# KiCad board 8-Bit CPU 32k.kicad_pcb (continued)
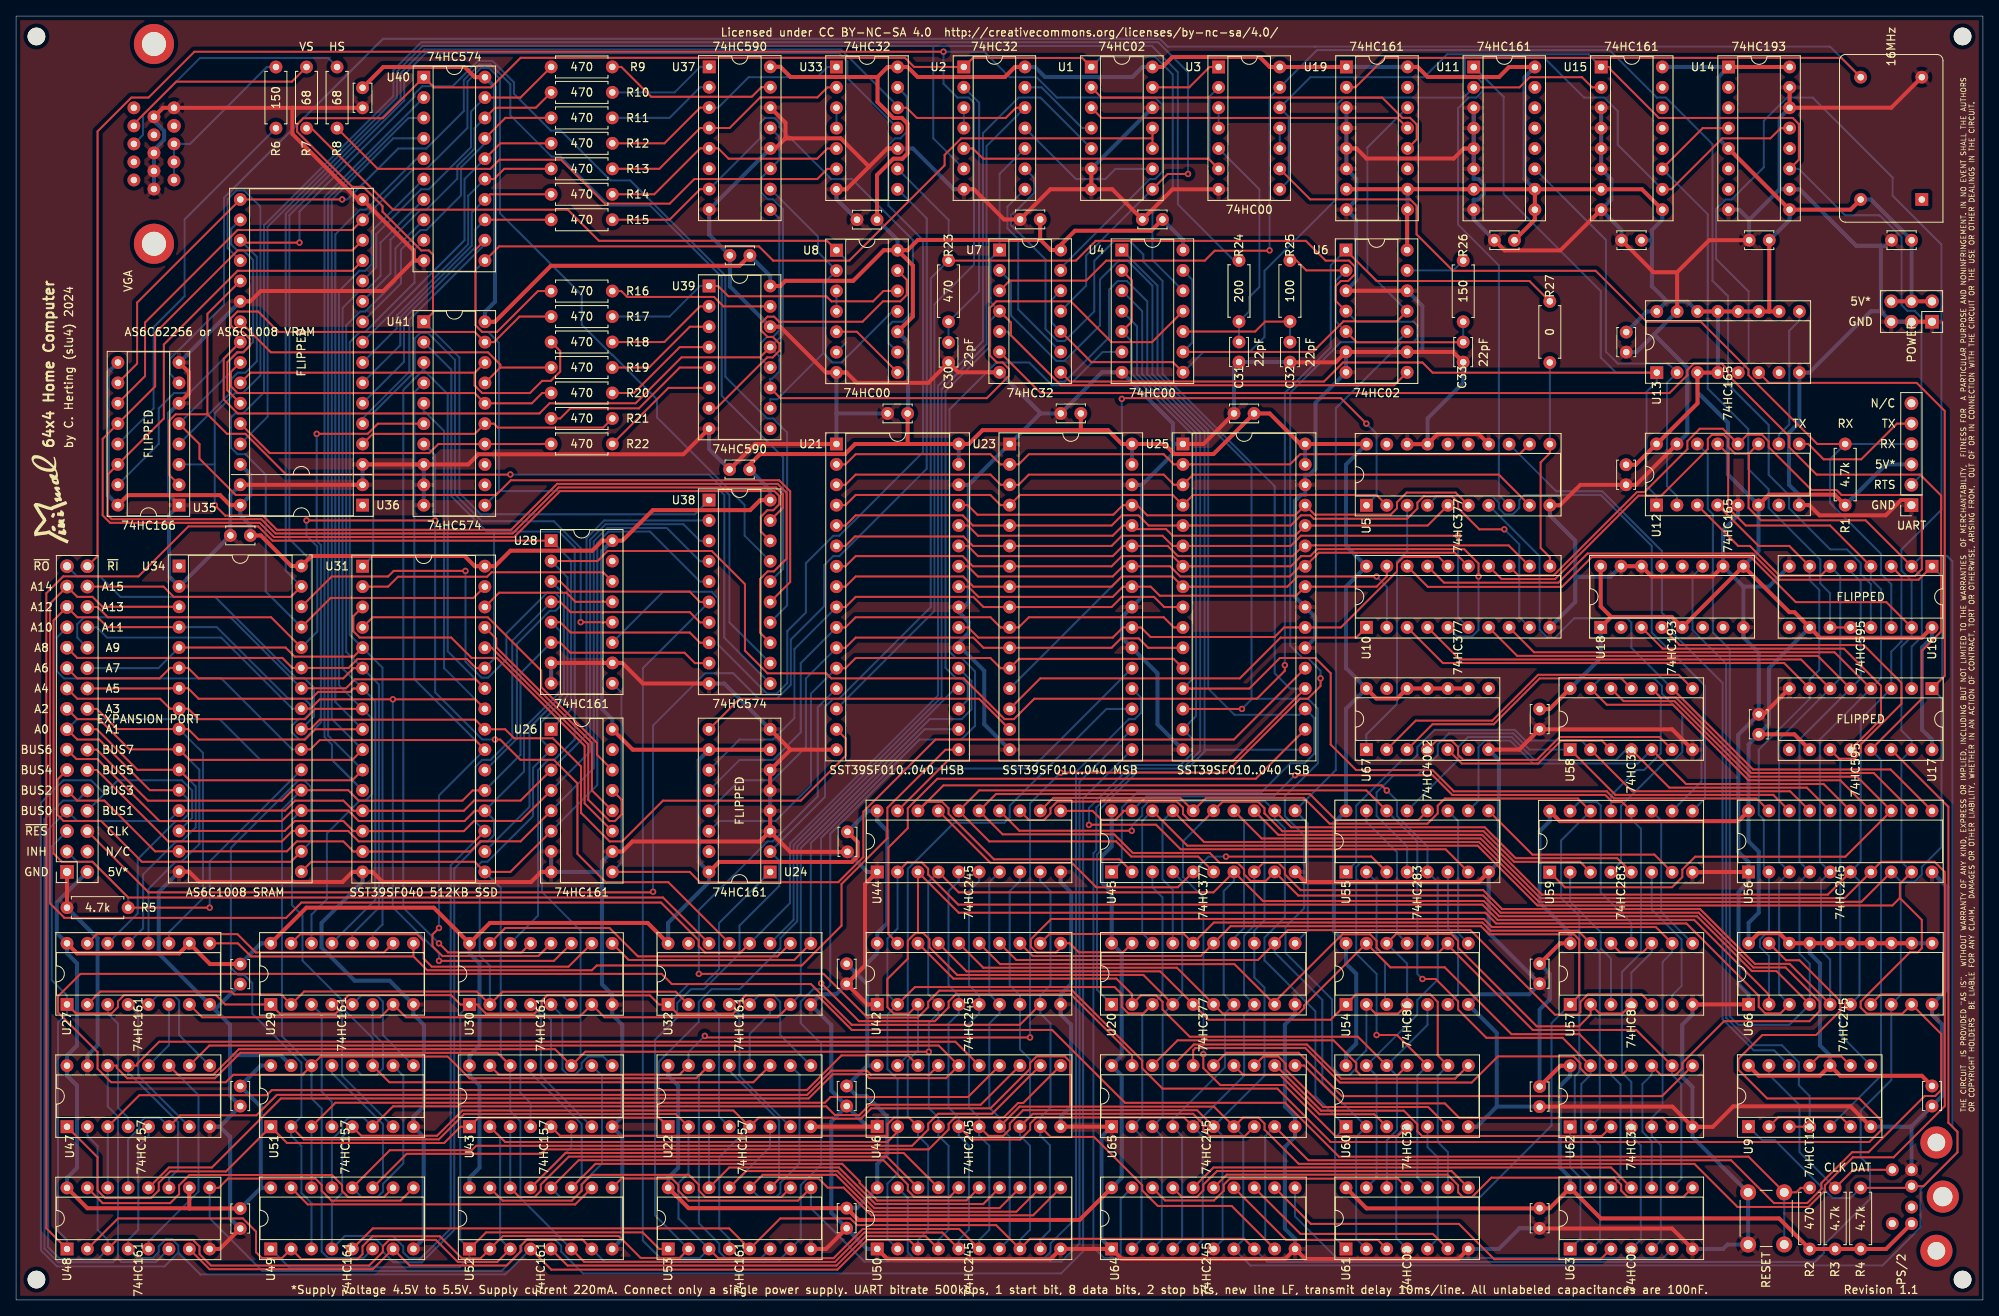
[diagram p0: board, top side]
## Nets (continued)
/VGA/V_A0: R9.1 U36.12 U40.19
/VGA/V_A1: R10.1 U36.11 U40.18
/VGA/V_A2: R11.1 U36.10 U40.17
/VGA/V_A3: R12.1 U36.9 U40.16
/VGA/V_A4: R13.1 U36.8 U40.15
/VGA/V_A5: R14.1 U36.7 U40.14
/VGA/V_A6: R15.1 U36.6 U40.13
/VGA/V_A7: R16.1 U36.5 U40.12
/VGA/V_A8: R17.2 U36.27 U41.19
/VGA/V_A9: R18.2 U36.26 U41.18
/VGA/V_A10: R19.2 U36.23 U41.17
/VGA/V_A11: R20.2 U36.25 U41.16
/VGA/V_A12: R21.1 U36.4 U41.15
/VGA/V_A13: R22.2 U36.28 U41.14
A0: J3.15 U27.14 U31.12 U34.12 U40.2
A1: J3.16 U27.13 U31.11 U34.11 U40.3
A2: J3.17 U27.12 U31.10 U34.10 U40.4
A3: J3.18 U27.11 U31.9 U34.9 U40.5
A4: J3.19 U29.14 U31.8 U34.8 U40.6
A5: J3.20 U29.13 U31.7 U34.7 U40.7
A6: J3.21 U29.12 U31.6 U34.6 U40.8
A7: J3.22 U29.11 U31.5 U34.5 U40.9
A8: J3.23 U30.14 U31.27 U34.27 U41.2
A9: J3.24 U30.13 U31.26 U34.26 U41.3
A10: J3.25 U30.12 U31.23 U34.23 U41.4
A11: J3.26 U30.11 U31.25 U34.25 U41.5
A12: J3.27 U32.14 U34.4 U41.6
A13: J3.28 U32.13 U34.28 U41.7
A14: J3.29 U1.5 U32.12 U34.3
A15: J3.30 U2.12 U32.11 U33.12 U34.31
CLK_MAR: R27.2 U6.1 U26.2 U27.2 U28.2 U29.2 U30.2 U32.2
CLK_PC: R23.1 U6.4 U20.11 U24.2 U33.9 U45.11 U48.2 U49.2 U52.2 U53.2
PC0: U46.18 U47.3 U48.14
PC1: U46.17 U47.6 U48.13
PC2: U46.16 U47.10 U48.12
PC3: U46.15 U47.13 U48.11
PC4: U46.14 U49.14 U51.3
PC5: U46.13 U49.13 U51.6
PC6: U46.12 U49.12 U51.10
PC7: U46.11 U49.11 U51.13
PC8: U43.3 U50.18 U52.14
PC9: U43.6 U50.17 U52.13
PC10: U43.10 U50.16 U52.12
PC11: U43.13 U50.15 U52.11
PC12: U22.3 U50.14 U53.14
PC13: U22.6 U50.13 U53.13
PC14: U22.10 U50.12 U53.12
PC15: U22.13 U50.11 U53.11
~{CLK_PLS}: U4.8 U7.10 U7.12 U11.2 U15.2
~{RESET}: J3.5 R2.2 SW1.1 U24.1 U26.1 U27.1 U28.1 U29.1 U30.1 U32.1 U48.1 U49.1 U52.1 U53.1
Net-(C30-Pad1): C30.1 R23.2 U2.2
Net-(C31-Pad1): C31.1 R24.2 U3.5
Net-(C32-Pad1): C32.1 R25.2 U4.10
Net-(C33-Pad1): C33.1 R25.1 R26.2 U6.2 U6.5
Net-(J3-Pad6): J3.6 U33.8
Net-(J4-Pad1): J4.1 J4.2 J4.3 R6.2
Net-(J4-Pad13): J4.13 R8.1
Net-(J4-Pad14): J4.14 R7.1
Net-(R6-Pad1): R6.1 U35.13
Net-(R7-Pad2): R7.2 U8.1 U8.6
Net-(R8-Pad2): R8.2 U33.6
Net-(R26-Pad1): R26.1 U6.13
Net-(R27-Pad1): R27.1 U5.11 U10.11
Net-(U1-Pad4): U1.4 U2.13
Net-(U1-Pad9): U1.9 U2.11
Net-(U1-Pad13): U1.13 U3.1
Net-(U2-Pad3): U2.3 U2.4
Net-(U2-Pad5): U2.5 U3.2 U3.6
Net-(U2-Pad8): U2.8 U7.9
Net-(U3-Pad3): U3.3 U3.4
Net-(U3-Pad10): U3.10 U3.11
Net-(U8-Pad3): U8.3 U8.4
Net-(U8-Pad5): U8.5 U8.8
Net-(U9-Pad2): U9.2 U9.6
Net-(U9-Pad11): U9.9 U9.11
Net-(U11-Pad11): U11.11 U12.2 U13.2
Net-(U12-Pad10): U12.10 U13.9
Net-(U14-Pad4): U14.4 U15.11 U16.11 U16.12
Net-(U17-Pad11): U9.8 U17.11 U18.4
Net-(U17-Pad12): U17.12 U18.3
Net-(U18-Pad11): U9.3 U9.4 U18.11
Net-(U22-Pad4): U22.4 U32.3
Net-(U22-Pad7): U22.7 U32.4
Net-(U22-Pad9): U22.9 U32.5
Net-(U22-Pad12): U22.12 U32.6
Net-(U27-Pad3): U27.3 U47.4
Net-(U27-Pad4): U27.4 U47.7
Net-(U27-Pad5): U27.5 U47.9
Net-(U27-Pad6): U27.6 U47.12
Net-(U27-Pad15): U27.15 U29.10
Net-(U29-Pad3): U29.3 U51.4
Net-(U29-Pad4): U29.4 U51.7
Net-(U29-Pad5): U29.5 U51.9
Net-(U29-Pad6): U29.6 U51.12
Net-(U29-Pad15): U29.15 U30.10
Net-(U30-Pad3): U30.3 U43.4
Net-(U30-Pad4): U30.4 U43.7
Net-(U30-Pad5): U30.5 U43.9
Net-(U30-Pad6): U30.6 U43.12
Net-(U30-Pad15): U30.15 U32.10
Net-(U31-Pad22): U31.22 U33.11 U34.30
Net-(U33-Pad3): U33.3 U33.4
Net-(U37-Pad9): U37.9 U39.12
Net-(U37-Pad10): U8.2 U8.11 U37.10 U39.10
Net-(U48-Pad15): U48.15 U49.10
Net-(U49-Pad15): U49.15 U52.10
Net-(U52-Pad15): U52.15 U53.10
Net-(U54-Pad3): U54.3 U55.2
Net-(U54-Pad6): U54.6 U55.6
Net-(U54-Pad8): U54.8 U55.11
Net-(U54-Pad11): U54.11 U55.15
Net-(U55-Pad1): U55.1 U56.17 U58.2
Net-(U55-Pad4): U55.4 U56.18 U58.1
Net-(U55-Pad9): U55.9 U59.7
Net-(U55-Pad10): U55.10 U56.15 U58.5
Net-(U55-Pad13): U55.13 U56.16 U58.4
Net-(U56-Pad12): U56.12 U58.10 U59.13
Net-(U56-Pad13): U56.13 U58.12 U59.1
Net-(U56-Pad14): U56.14 U58.13 U59.4
Net-(U57-Pad3): U57.3 U59.2
Net-(U57-Pad6): U57.6 U59.6
Net-(U57-Pad8): U57.8 U59.11
Net-(U57-Pad11): U57.11 U59.15
Net-(U58-Pad3): U58.3 U67.5
Net-(U58-Pad6): U58.6 U67.4
Net-(U58-Pad8): U58.8 U67.2
Net-(U58-Pad11): U58.11 U67.3
Net-(U60-Pad3): U60.3 U65.14
Net-(U60-Pad6): U60.6 U65.13
Net-(U60-Pad8): U60.8 U65.17
Net-(U60-Pad11): U60.11 U65.18
Net-(U61-Pad3): U61.3 U64.14
Net-(U61-Pad6): U61.6 U64.13
Net-(U61-Pad8): U61.8 U64.17
Net-(U61-Pad11): U61.11 U64.18
Net-(U62-Pad3): U62.3 U65.12
Net-(U62-Pad6): U62.6 U65.11
Net-(U62-Pad8): U62.8 U65.15
Net-(U62-Pad11): U62.11 U65.16
Net-(U63-Pad3): U63.3 U64.12
Net-(U63-Pad6): U63.6 U64.11
Net-(U63-Pad8): U63.8 U64.15
Net-(U63-Pad11): U63.11 U64.16

Pads without a net: J1 6; J2 2 6; J3 4; J4 4 9 11 12 15; U5 15 16 19; U11 12 13 14 15; U12 7; U13 7; U14 2 3 6 7 12; U15 12 13 14 15; U16 9; U17 9; U18 2 6 7 12; U19 11 15; U24 15; U26 15; U28 15; U32 15; U34 1; U36 1; U37 6; U39 9; U41 12 13; U53 15; U67 6 8 13; X1 1

## Via types
v1: diameter 0.8, hole 0.4, Top to Bottom, 42 vias

## Routing (per net, layer and track width the routed paths; a pad name or vN(x,y) marks a point on that pad's centre or on a via; arc(x,y) is an arc through that point)
+5V: length 1746
  Top w0.5: 21.59,11.43 21.62,11.4 C24.1 ; 21.59,11.43 8.89,11.43 U48.16 ; 21.59,11.43 U48.10 ; U5.20 167.03,106.66 167.01,106.68 U25.32 160.02,106.68 156.21,110.49 C10.1 149.22,105.43 144.35,105.43 143.1,106.68 U23.32 137.81,106.68 136.08,108.41 132.69,108.41 ; C12.1 90.16,128.89 66.66,128.89 59.68,121.91 U41.20 ; U19.1 164.53,153.68 164.52,153.67 U3.14 156.23,153.67 154.98,154.92 144.11,154.92 142.87,153.68 U1.14 ; J5.2 J5.4 J5.6 ; 198.77,85.13 197.47,86.43 U18.16 ; 198.77,85.13 206.34,85.13 U18.5 U18.9 220.98,85.72 221.62,85.72 U16.10 224.82,82.52 237.46,82.52 U16.16 ; 198.77,85.13 U18.1 ; C21.1 45.77,153.67 55.91,153.67 57.18,152.4 U40.20 ; U66.12 U66.13 U66.14 U66.15 U66.16 U66.17 U66.18 219.74,45.71 217.15,45.71 U66.20 ; 218.48,123.2 C17.1 ; 218.48,123.2 U13.10 ; 218.48,123.2 U13.11 U13.12 U13.13 U13.14 ; J2.4 233.03,6.35 R4.1 R3.1 R2.1 219.71,10.16 197.49,10.16 U63.14 191.12,11.43 C28.1 189.84,11.41 168.29,11.41 165.74,13.97 U61.14 ; 107.35,152.42 107.35,149.3 109.34,147.32 110.39,147.32 111.11,146.6 111.11,142.91 110.44,142.24 109.33,142.24 107.3,140.21 C2.1 ; 107.35,152.42 108.6,153.67 U33.14 111.11,153.67 112.35,152.42 123.23,152.42 124.48,153.68 U2.14 ; 107.35,152.42 96.52,152.42 95.25,153.69 U37.16 ; U12.16 201.84,104.1 C23.1 ; 111.11,106.68 C26.1 ; 111.11,106.68 104.56,106.68 103.31,105.43 92.73,105.43 91.42,104.12 C29.1 ; 111.11,106.68 U21.32 118.73,106.68 120.46,108.41 132.69,108.41 ; U15.9 202.62,138.43 U15.7 U11.10 ; C13.1 191.1,73.64 U58.14 ; U7.14 129.56,130.86 ; 129.56,130.86 128.93,130.86 127.68,132.11 127.62,132.11 ; 129.56,130.86 131.96,133.26 141.46,133.26 C1.1 ; C18.1 221.6,70.5 U17.10 ; U12.6 218.44,100.37 226.63,100.37 R1.1 ; U67.14 169.52,74.96 172.1,74.96 U67.12 U67.11 U67.10 U67.9 ; 132.69,108.41 C8.1 ; U32.16 78.71,46.99 59.05,46.99 U30.16 52.05,48.9 36.19,48.9 U29.16 ; U39.16 95.23,126.38 95.88,127.02 104.33,127.02 108.14,130.83 U8.14 ; U59.16 192.37,59.68 214.62,59.68 U56.20 ; U14.16 U14.1 ; U19.9 173.35,135.85 U6.14 ; 186.73,132.1 189.27,134.64 U11.9 U11.10 ; U57.14 192.42,44.45 189.88,41.91 C7.1 ; U64.20 136.53,13.97 132.53,9.97 104.97,9.97 C27.1 83.81,11.44 U53.16 ; C11.1 104.87,57.09 104.87,55.29 104.17,54.59 87.6,54.59 U24.16 ; U8.14 111.76,128.93 111.76,122.58 U8.10 ; U8.14 111.11,130.83 112.38,132.11 127.62,132.11 ; 204.48,106.69 209.54,111.75 U13.3 U13.4 ; C9.1 24.18,41.86 U27.10 20.34,43.2 7.6,43.2 U27.16 ; U14.5 U14.9 228.6,135.89 X1.14 ; C3.1 237.49,27.94 227.33,27.94 U9.10 224.79,27.96 217.16,27.96 U9.14 ; U19.16 174.66,153.68 175.92,152.42 184.8,152.42 186.06,153.67 U11.16 ; U19.7 U19.10 180.39,138.44 180.4,138.43 U11.7 U11.10 ; U62.14 192.45,29.19 C15.1 ; U35.16 13.94,100.31 25.42,100.31 26.67,99.06 U36.32 ; 127.62,132.11 C20.1 ; U24.7 U24.10 76.86,68.58 U26.16 ; U38.20 92.73,99.69 91.48,98.44 79.36,98.44 75.56,94.63 U28.16 73.05,94.63 71.8,93.38 61.61,93.38 59.67,91.45 U31.32 57.17,91.45 55.89,92.73 36.81,92.73 U34.32 34.3,91.47 30.49,95.28 C6.1
  Bottom w0.5: U11.10 187.98,139.72 187.98,152.38 U11.16 ; U15.9 205.15,134.64 203.84,133.33 203.84,132.08 ; U52.16 56.51,15.22 57.76,16.47 57.76,26.71 56.51,27.96 U43.16 56.51,30.46 57.76,31.71 57.76,41.94 56.51,43.19 U30.16 ; U62.14 193.67,27.94 192.37,26.64 192.37,16.53 193.67,15.23 U63.14 ; U13.14 208.29,124.45 205.71,124.45 U13.16 203.21,123.2 203.21,123.18 C25.1 ; U1.14 140.36,153.68 139.11,152.42 128.23,152.42 126.98,153.68 126.36,153.68 ; J5.4 C14.1 231.14,137.16 X1.14 ; 106.07,29.22 106.07,39.34 104.76,40.65 ; 106.07,29.22 103.52,26.67 C22.1 103.51,26.66 104.77,25.4 106.02,25.4 108.57,22.85 108.57,18.19 107.32,16.94 U50.20 104.78,11.44 C27.1 ; 106.07,29.22 U46.20 ; U18.9 217.13,93.33 U12.6 213.32,102.88 213.32,109.35 209.54,113.14 U13.3 ; U53.16 81.27,15.23 82.51,16.47 82.51,26.71 81.26,27.96 U22.16 ; 104.76,40.65 C4.1 ; 104.76,40.65 107.32,43.21 U42.20 107.32,45.71 108.57,46.96 108.57,58.46 107.32,59.71 U44.20 106.22,60.96 C11.1 ; C26.1 111.17,110.56 111.17,119.36 U8.10 ; C29.1 93.98,100.94 U38.20 ; U26.16 74.3,72.38 73.02,73.67 73.02,93.35 U28.16 ; R1.1 233.02,104.14 J1.3 ; C5.1 203.84,132.08 ; 203.84,132.08 203.84,126.35 205.74,124.46 ; C7.1 191.11,40.66 191.11,37.44 189.87,36.19 C15.1 ; J3.2 5.08,49.54 5.08,45.72 U27.16 6.35,43.2 7.6,41.95 7.6,31.71 6.35,30.46 U47.16 6.35,27.96 7.6,26.71 7.6,16.47 6.35,15.22 U48.16 ; U18.1 197.47,80.03 197.48,80.03 U58.14 ; C17.1 221.02,134.62 U14.9 ; C9.1 30.49,44.41 30.49,44.45 U29.16 ; U60.14 165.74,30.67 167,31.94 167,40.64 165.74,41.91 U54.14 164.23,45.96 164.23,59.45 U55.16 165.74,73.67 U67.14 165.74,78.75 165.74,88.91 U10.20 165.74,94 165.74,95.25 ; U66.20 215.9,47 217.17,48.26 217.17,55.88 215.9,57.15 U56.20 215.9,69.22 C18.1 218.44,71.76 218.44,78.74 U16.10 ; U49.16 30.49,13.98 ; 30.49,13.98 30.49,24.11 C16.1 30.49,29.21 U51.16 ; 30.49,13.98 30.49,13.95 C24.1 ; U15.16 U14.1 212.15,152.42 212.15,144.76 U14.5 ; U5.20 165.74,104.12 165.74,95.25 ; U36.30 29.19,102.89 29.19,100.31 U36.32 27.94,97.81 29.2,96.55 C6.1 ; U32.16 81.26,47 86.35,52.09 U24.16 85.06,54.63 85.06,67.29 U24.10 ; 136.52,56.51 135.28,55.27 135.28,52.05 136.53,50.8 U20.20 137.78,43.21 137.78,30.47 U65.20 137.78,27.97 137.78,15.23 U64.20 ; U8.14 109.86,132.09 107.3,134.64 C2.1 ; C12.1 91.45,130.16 93.98,127.63 U39.16 ; U16.16 238.76,82.57 237.51,81.32 237.51,71.08 238.76,69.83 U17.16 ; U41.20 58.43,123.17 59.69,124.43 59.69,151.14 U40.20 ; U19.10 U19.9 ; U25.32 U25.31 ; U9.10 226.06,30.47 224.8,31.72 224.8,41.93 223.52,43.21 U66.17 ; U35.9 11.44,115.59 11.44,100.31 U35.16 ; U4.14 145.43,132.11 145.42,132.11 C1.1 ; U66.12 U66.11 ; U21.32 U21.31 ; U23.32 U23.31 ; U13.13 U13.4 ; 136.53,56.51 U45.20 ; U19.16 U19.1 ; U59.16 191.12,59.68 189.87,58.42 189.87,49.51 193.68,45.7 U57.14
/VGA/V1: length 66.9
  Top w0.25: U37.7 85.25,138.45 81.43,134.63 R15.2
  Bottom w0.25: U37.7 92.71,144.78 92.71,146.69 93.34,147.32 94.48,147.32 95.12,146.67 95.12,146.18 101.6,139.7 104.16,139.7 111.76,132.1 111.76,123.19 110.49,121.92 109.22,121.92 108.73,121.43 108.73,119.26 U8.9
/VGA/V2: length 20.5
  Top w0.25: U39.15 88.16,123.83 86.99,125.01 76.16,125.01 75.43,125.74 R16.2
/VGA/V4: length 38.5
  Top w0.25: U39.1 87.49,126.38 88.77,125.09 100.98,125.09 101.61,124.46 106.8,124.46 108.09,125.75 U8.12
  Bottom w0.25: U39.1 85.23,126.38 81.42,122.56 R17.1
/VGA/V8: length 13.9
  Top w0.25: U39.2 85.23,123.83 80.79,119.39 R18.1
/VGA/V16: length 14.2
  Top w0.25: U39.3 83.96,121.3 78.88,116.22 R19.1
/VGA/V32: length 14.4
  Top w0.25: U39.4 82.71,118.75 76.99,113.04 R20.1
/VGA/V64: length 22.3
  Top w0.25: R21.2 67.81,109.86 69.07,111.12 77.62,111.12 82.71,116.22 U39.5
/VGA/V128: length 14.9
  Top w0.25: U39.6 81.29,113.67 R22.1
/VGA/V256: length 40.1
  Top w0.25: 86.36,111.13 87.26,111.13 93.6,117.47 94.3,117.47 95.13,118.31 95.13,119.19 94.3,120.02 93.65,120.02 92.85,120.82 92.85,121.76 93.64,122.55 94.47,122.55 95.1,121.92 105.49,121.92 108.03,124.46 110.19,124.46 111,125.27 111,127.15 U8.13
GND: length 1970.3
  Top w0.5: 208.91,36.83 210.17,36.83 210.18,36.84 U66.1 ; U34.16 21.57,53.38 22.84,52.1 40.68,52.1 41.93,53.35 U31.16 44.43,53.35 45.7,52.08 64.17,52.08 65.43,53.35 U26.8 ; U21.1 92.09,106.68 C29.2 ; U9.7 228.6,24.13 214,24.13 211.44,21.57 210.16,21.57 ; U37.14 95.89,146.72 95.89,144.78 96.5,144.78 ; U42.1 106.07,36.84 C4.2 105.8,41.69 105.8,51.83 U44.1 ; U12.8 223.47,99.07 224.74,97.8 233,97.8 234.89,99.69 236.19,99.69 ; U7.7 117.42,115.62 C30.2 113.67,114.3 104.78,114.3 103.49,115.59 U8.7 100.93,115.59 95.23,121.3 U39.14 ; C28.2 189.88,8.91 206.36,8.91 U63.7 ; 49.56,129.54 49.56,130.79 U36.16 42.61,137.16 34.44,145.33 34.44,148.58 ; 49.56,129.54 U40.10 ; 49.56,129.54 45.77,125.75 30.48,125.75 29.2,124.46 U36.22 ; R5.1 J3.1 ; 96.51,68.58 U21.16 ; 96.51,68.58 U24.6 U24.5 ; 96.51,68.58 U24.8 ; U18.10 211.43,90.16 203.84,90.16 U18.14 U18.15 ; U24.3 92.69,57.14 76.81,57.14 75.56,55.89 U26.10 ; U24.3 93.9,58.42 96.47,55.85 C11.2 ; U24.3 U24.4 ; U2.7 119.36,138.44 123.13,134.67 C20.2 128.89,138.44 U1.7 ; U58.7 206.38,71.12 189.88,71.12 C13.2 187.31,68.59 U67.7 ; U6.3 U6.12 ; U15.8 192.45,130.81 185.5,130.81 C19.2 ; U11.5 180.4,143.51 179.15,142.26 168.3,142.26 167.04,143.52 U19.5 ; C17.2 210.99,132.08 207,128.09 ; U1.7 136.6,138.44 C1.2 144.12,138.43 U3.7 ; U1.7 U1.6 ; 34.44,148.58 C21.2 ; 34.44,148.58 J4.5 18.31,148.58 J4.10 ; 96.5,144.78 95.87,144.78 94.63,143.53 U37.12 ; 96.5,144.78 102.77,144.78 106.3,141.25 ; X1.7 233.68,148.59 U14.14 U14.15 ; 210.16,21.57 208.94,21.57 206.4,24.1 C15.2 ; 210.16,21.57 U62.7 ; U5.10 192.39,99.04 194.95,101.6 201.88,101.6 206.97,106.69 ; C10.2 147.97,106.68 U25.1 ; U53.8 100.92,6.36 C27.2 ; U36.2 U36.31 ; U39.8 83.17,105.41 57.61,105.41 56.34,104.13 U41.8 44.44,104.13 44.44,104.14 U36.3 ; 207,128.09 204.06,128.09 C5.2 ; 207,128.09 U13.15 ; U38.10 78.12,76.83 75.56,79.4 U28.10 U28.7 ; U33.10 108.57,143.51 106.3,141.25 ; 106.3,141.25 103.49,138.43 U33.7 ; U61.7 179.72,5.11 160.64,5.11 U64.10 158.14,5.11 137.78,5.11 U64.1 U50.10 128.9,5.08 108.6,5.08 U50.1 ; U45.10 160.65,52.09 182.26,52.09 U55.8 ; J5.3 J5.1 ; U35.6 21.56,113.01 21.56,115.59 U35.8 ; U17.8 217.77,73 C18.2 ; U59.8 210.16,53.31 210.19,53.34 U56.1 ; U46.10 U65.1 ; U48.8 25.38,6.35 27.93,8.9 ; U46.1 107.31,21.59 U22.8 ; C33.2 179.06,118.16 U6.6 164.44,116.86 158.77,116.86 C32.2 ; U5.14 182.27,107.91 177.15,107.91 U5.17 U5.18
  Bottom w0.5: U10.10 194.31,87 194.31,90.15 ; U21.24 117.48,85.73 ; 117.48,85.73 118.73,84.48 118.73,83.16 117.48,81.91 117.48,81.59 ; 117.48,85.73 118.73,86.99 118.73,101.6 ; U6.12 175.26,123.88 175.26,118.16 U6.9 ; 204.13,120.33 208.27,116.19 208.27,107.98 206.97,106.69 ; 204.13,120.33 201.93,118.13 C25.2 ; 204.13,120.33 U13.15 ; U11.3 U11.4 U11.5 U11.6 181.65,139.72 182.2,139.72 182.9,139.02 182.9,137.87 182.17,137.14 181.65,137.14 U11.8 181.65,134.64 181.67,134.64 C19.2 ; U36.22 27.94,124.45 20.34,116.84 U35.8 ; U18.15 198.71,90.15 194.31,90.15 ; U41.8 U41.9 U41.10 ; 219.77,138.43 215.98,134.64 ; 219.77,138.43 U14.10 222.27,138.43 229.3,131.4 232.38,131.4 ; 219.77,138.43 219.77,147.34 U14.14 ; 215.98,134.64 214.73,135.89 U14.8 ; 215.98,134.64 C17.2 ; 118.73,101.6 123.81,106.68 U23.1 127.66,110.52 ; 118.73,101.6 U21.30 ; U25.22 161.9,82.53 161.9,85.11 U25.24 159.36,87.65 159.36,99.58 160.13,100.35 160.65,100.35 U25.30 160.65,102.85 161.2,102.85 161.94,103.59 161.94,111.82 U6.7 U6.6 ; 101.6,21.64 101.6,22.26 C22.2 ; U66.1 215.9,38.09 214.65,39.34 214.65,50.84 215.9,52.09 U56.1 215.9,54.59 214.62,55.87 214.62,70.45 C18.2 217.17,80.66 215.25,82.58 U18.8 215.25,88.91 ; U38.10 88.26,76.83 U24.8 ; 232.38,123.22 231.13,123.22 223.49,115.58 U13.8 222.24,109.38 220.94,108.08 220.94,101.59 222.21,100.32 U12.8 ; 232.38,123.22 232.38,131.4 ; 232.38,123.22 J5.5 J5.3 ; 180.75,6.36 184.77,6.36 187.34,8.93 C28.2 ; 10.16,43.18 10.16,45.09 R5.1 ; 10.16,43.18 17.78,43.18 ; 10.16,43.18 10.16,31.73 8.89,30.46 U47.15 ; 26.69,95.91 26.69,95.61 ; 26.69,95.91 26.69,95.3 C6.2 20.36,88.94 U34.2 19.07,90.18 19.07,97.82 U35.1 19.05,100.32 19.05,110.5 U35.6 ; 26.69,95.91 26.69,100.35 U36.31 ; 24.77,36.19 U27.8 17.78,43.18 ; 24.77,36.19 26.66,34.3 26.66,30.5 ; 24.77,36.19 C9.2 ; U52.8 75.55,7.61 75.55,20.33 U43.8 75.54,22.85 75.54,34.31 74.29,35.57 U30.8 74.29,38.07 73.02,39.34 73.02,53.35 ; 236.21,21.6 236.21,21.62 C3.2 240.01,25.42 240.01,34.34 238.76,35.59 U66.10 240.66,38.74 240.66,51.44 U56.10 ; 236.21,21.6 U9.7 ; 236.21,21.6 J2.3 ; J4.6 J4.7 J4.8 17.19,143.35 18.45,144.62 18.45,145.71 17.19,146.98 J4.10 ; C29.2 86.36,106.06 U39.8 ; 117.48,81.59 120.65,78.42 120.65,71.75 U23.16 ; 117.48,81.59 U21.22 ; 103.51,8.89 106.04,6.36 U50.1 ; U26.7 U26.8 73.02,53.35 ; 184.53,24.1 184.53,33.28 U54.7 182.25,38.1 188.56,38.1 C7.2 183.51,45.76 U55.8 184.78,54.61 184.78,67.31 U67.7 ; 184.53,24.1 C15.2 ; 184.53,24.1 182.02,21.59 U60.7 ; 194.31,90.15 194.31,94.63 191.14,97.79 U5.10 ; 232.38,131.4 233.04,131.4 C14.2 ; U31.16 43.18,52.1 38.07,46.99 38.07,43.91 42.19,39.8 46.55,39.8 U29.8 49.52,35.58 50.82,34.28 50.82,24.14 49.52,22.84 U51.8 50.8,20.31 50.8,7.64 U49.8 ; U33.10 111.78,143.51 116.86,138.44 U2.7 ; 73.02,53.35 73.02,54.6 U26.10 ; 101.61,21.6 101.6,21.59 101.6,10.84 C27.2 ; U65.1 135.28,20.35 135.28,7.6 136.51,6.36 U64.1 ; U6.3 167,127.05 167,134.68 U19.8 167.03,137.15 167.03,139.73 U19.6 U19.5 U19.4 U19.3 ; U16.8 218.45,88.91 215.25,88.91 ; U34.16 17.78,50.84 17.78,43.18 ; U44.1 106.06,53.34 106.06,53.4 C11.2 ; 102.23,110.49 C26.2 ; 102.23,110.49 U21.1 ; 102.23,110.49 U8.7 ; C33.2 180.34,114.32 175.9,109.88 U5.17 ; 26.66,30.5 26.66,25.44 C16.2 25.38,21.6 25.38,21.59 24.76,21.59 ; 26.66,30.5 32.99,30.5 U51.15 ; U47.8 24.76,21.59 ; 24.76,21.59 25.4,21.59 26.68,20.31 26.68,10.15 27.93,8.9 C24.2 ; U24.5 U24.4 ; C2.2 102.26,137.18 102.23,137.18 U33.7 ; U1.6 U1.12 ; C4.2 102.21,38.1 100.32,38.1 U32.8 101.6,34.26 101.6,26.08 C22.2 ; 130.18,53.34 130.18,52.09 131.49,50.78 131.49,39.4 130.18,38.09 U42.10 130.18,35.59 131.47,34.3 131.47,24.14 130.18,22.85 U46.10 ; C22.2 106.08,21.6 U46.1 ; 215.25,88.91 U18.10 212.71,95.94 214.59,97.82 214.59,99.07 ; U39.14 88.96,126.31 88.96,130.17 C12.2 86.38,132.75 U37.8 U37.12 ; 144.16,106.68 144.16,109.27 U4.7 135.32,115.62 C8.2 127.7,110.49 127.66,110.52 ; 144.16,106.68 U25.1 ; 144.16,106.68 144.16,105.45 140.31,101.6 ; 140.31,101.6 U23.30 ; 140.31,101.6 140.31,87.61 U23.24 137.81,85.11 137.81,82.53 U23.22 142.24,78.1 142.24,71.75 U25.16 ; U64.10 159.39,7.61 158.12,8.88 158.12,19.08 159.39,20.35 U65.10 159.39,22.85 158.12,24.12 158.12,34.32 159.39,35.59 U20.10 ; C10.2 151.78,116.28 C31.2 158.73,116.9 C32.2 ; U15.3 U15.4 U15.5 U15.6 198.81,139.7 198.81,137.16 U15.8 200.06,133.36 C5.2 ; 127.66,110.52 U7.7 ; U36.3 U36.2 ; U28.8 U28.7 ; 208.91,36.83 208.91,35.58 207.64,34.3 207.64,27.8 208.91,26.53 U62.7 208.91,20.32 215.82,13.41 SW1.2 SW1.2 213.28,6.91 212.72,6.35 212.71,6.36 U63.7
16MHz: length 307.1
  Top w0.25: U19.2 166.91,151.14 170.58,154.81 227.46,154.81 X1.8
  Bottom w0.25: X1.8 226.05,156.22 161.94,156.22 161.92,156.21 143.51,156.21 142.52,157.2 45.73,157.2 25.91,137.37 25.91,124.03 19.19,117.31 19.19,115.42 U35.7
/ALU/A0: length 149.7
  Top w0.25: v1(170.81,63.5) 170.18,64.13 115.57,64.13 112.39,60.96 ; 112.39,60.96 113.53,62.09 ; 112.39,60.96 113.52,62.08 115.4,62.08 116.2,61.28 116.2,60.57 121.86,54.91 137.51,54.91 U45.2
  Bottom w0.25: U61.13 169.54,15.25 169.54,27.94 U60.13 174.62,35.56 174.62,37.39 177.16,39.93 177.16,52.07 U55.5 175.89,56.51 172.08,60.32 172.08,62.23 v1(170.81,63.5)
/ALU/A1: length 112.9
  Top w0.25: 114.93,60.96 121.43,54.46 131.59,54.46 134.62,51.44 144.77,51.44 U45.5 ; v1(150.78,55.26) 168.9,55.26 U55.3 ; U60.10 172.08,33.02 v1(169.54,33.02)
  Bottom w0.25: U61.10 174.62,15.25 174.62,27.94 U60.10 ; U55.3 169.63,54.52 167.57,54.52 167,53.95 167,43.18 169.54,40.64 v1(169.54,33.02) ; U45.5 148.6,55.26 v1(150.78,55.26)
/ALU/A2: length 155.3
  Top w0.25: U45.6 147.32,55.26 138.97,55.26 137.08,57.15 121.29,57.15 U44.16 120.02,63.5 168.27,63.5 U55.14 ; U62.13 192.73,32.67 183.23,32.67 179.7,36.19 179.7,37.21 176.91,40 v1(175.26,40)
  Bottom w0.25: U62.13 196.21,28.06 195.06,26.92 195.06,16.39 196.21,15.25 U63.13 ; U55.14 174.62,57.15 174.62,40.64 v1(175.26,40)
/ALU/A3: length 217
  Top w0.25: U62.10 204.96,28.06 206.84,28.06 207.64,28.87 207.64,29.54 212.84,34.74 223.49,34.74 224.79,36.04 224.79,37.17 220.52,41.44 216.51,41.44 209.68,48.27 185,48.27 182.87,50.4 159.8,50.4 U45.9 155.73,52.23 153.84,52.23 153.04,53.03 153.04,53.68 152.24,54.47 150,54.47 148.76,55.71 139.17,55.71 136.85,58.03 122.94,58.03 U44.15 122.11,63.06 161.1,63.06 161.1,63.05 161.23,63.05 164.39,59.89 164.39,59.81 164.52,59.81 164.52,59.81 174.75,59.81 U55.12
  Bottom w0.25: U62.10 203.83,28.06 202.67,26.9 202.67,20.97 203.83,19.81 U63.10
/ALU/A4: length 147.4
  Top w0.25: v1(139.03,58.48) 125.04,58.48 122.55,60.96 ; U45.12 158.91,58.91 183.02,58.91 186.88,55.06 199.54,55.06 U59.5
  Bottom w0.25: U61.1 164.38,7.72 164.38,20.23 U60.1 161.93,25.4 161.93,35.97 155.57,42.32 155.57,45.16 158.12,47.7 158.12,58.76 156.85,60.02 U45.12 155.67,62.15 141.15,62.15 140.33,61.33 140.33,60.38 139.03,59.08 v1(139.03,58.48)
/ALU/A5: length 159.6
  Top w0.25: U60.4 172.2,20.43 170.1,20.43 170.09,20.45 164.38,20.45 158.03,26.79 150.06,26.79 147.95,28.9 v1(147.95,30.64) ; U59.3 194.9,54.61 186.69,54.61 182.88,58.42 157.81,58.42 155.58,60.64 155.57,60.64 155.57,61.3 154.78,62.09 150.35,62.09 U45.15 148.06,59.8 146.18,59.8 145.42,60.57 145.42,61.36 144.66,62.12 129.75,62.12 128.9,61.28 128.9,60.64 128.08,59.82 126.24,59.82 125.09,60.96
  Bottom w0.25: v1(147.95,30.64) 147.96,30.64 147.96,50.18 145.42,52.72 145.42,57.16 U45.15 ; 173.12,21.57 172,20.44 172,7.72 U61.4
/ALU/A6: length 133
  Top w0.25: U59.14 194.64,62.5 178.07,62.5 177.16,61.59 177.16,60.64 175.89,59.36 163.69,59.36 160.48,62.58 148.3,62.58 U45.16 145.09,62.57 129.25,62.57 U44.12
  Bottom w0.25: U63.1 194.94,7.63 194.94,15.24 193.67,16.51 U62.1 194.24,22.14 194.24,27.87 194.81,28.44 194.81,47.86 192.54,50.13 192.54,57.27 U59.14
/ALU/A7: length 133.4
  Top w0.25: v1(159.38,65.41) 176.53,65.41 178.99,62.94 198.04,62.94 198.93,62.05 200.16,62.05 U59.12 ; 130.18,60.96 134.15,60.96 135.26,59.85 137,59.85 137.94,60.79 137.94,60.97 U45.19
  Bottom w0.25: U63.4 201.31,6.36 202.47,7.53 202.47,19.26 201.29,20.44 U62.4 201.29,27.17 200.11,28.34 200.11,40.87 202.48,43.24 202.48,58.72 201.28,59.92 U59.12 ; U45.19 140.87,62.77 156.75,62.77 v1(159.38,65.41)
/ALU/B0: length 93
  Top w0.25: U42.18 116.81,40.05 137.11,40.05 139.07,38.09 U20.2 140.19,37.96 142.08,37.96 142.88,37.17 142.88,36.19 146.26,32.81 167.22,32.81 U60.12
  Bottom w0.25: U54.5 175.89,34.29 U60.12 172.08,27.94 172.08,21.17 170.81,19.9 U61.12
/ALU/B1: length 92.6
  Top w0.25: U60.9 177.16,30.48 177.16,37.15 176.22,38.1 167,38.1 163.83,34.92 148.61,34.92 U20.5 142.57,40.95 118.45,40.95 U42.17
  Bottom w0.25: U61.9 178.44,18.41 177.16,19.69 177.16,27.94 U60.9
/ALU/B2: length 111.2
  Top w0.25: U62.12 194.82,33.12 186.36,33.12 178.03,41.45 171.27,41.45 U54.13 160.51,36.69 160.51,36.37 159.85,35.71 150.36,35.71 U20.6 144.66,41.41 120.53,41.41 U42.16
  Bottom w0.25: U63.12 198.76,13.98 199.94,15.16 199.94,26.87 198.75,28.06 U62.12
/ALU/B3: length 117.8
  Top w0.25: U42.15 122.62,41.86 151.83,41.86 U20.9 156.85,37.16 165.27,45.57 168.74,45.57 169.54,44.77 169.54,43.91 170.13,43.32 177.31,43.32 U54.9 178.44,44.23 189.01,33.66 201.9,33.66 U62.9
  Bottom w0.25: U63.9 206.38,13.98 207.52,15.11 207.52,26.92 206.37,28.06 U62.9
/ALU/B4: length 134.3
  Top w0.25: 203.83,36.83 202.56,38.1 195.89,38.1 194.94,37.15 194.94,35.85 194.65,35.56 191.77,35.56 181.24,46.09 158.48,46.09 U20.12 154.76,42.37 124.65,42.37 U42.14
  Bottom w0.25: U61.2 167,7.63 167,20.32 U60.2 162.79,27.08 162.79,37.4 156.85,43.33 U20.12
/ALU/B5: length 131.4
  Top w0.25: U57.1 194.8,37.95 194.8,44.92 194.14,45.57 183.56,45.57 182.55,46.59 151.36,46.59 U20.15 147.63,42.86 126.7,42.86 U42.13
  Bottom w0.25: U61.5 177.16,7.63 177.16,17.78 175.89,19.05 U60.5 ; 177.16,12.83 182.44,12.83 191.34,21.73 191.34,34.5 U57.1
/ALU/B6: length 111.7
  Top w0.25: U42.12 128.79,45.61 145.54,45.61 U20.16 149.27,47.04 182.74,47.04 183.75,46.02 194.64,46.02 196.21,44.45
  Bottom w0.25: 196.21,44.45 197.36,43.31 197.36,22.72 U62.2 196.21,20.44 197.4,19.25 197.4,7.47 196.29,6.36 U63.2
/ALU/B7: length 138.1
  Top w0.25: U57.9 204.35,46.47 183.94,46.47 182.92,47.49 129,47.49 126.46,44.95 126.46,44.05 127.2,43.31 129.59,43.31 130.74,44.46 ; 130.74,44.46 131.31,44.46 132.43,43.33 137.94,43.33 U20.19 ; 130.74,44.46 U42.11
  Bottom w0.25: U63.5 203.91,6.36 204.96,7.41 204.96,19.31 203.83,20.44 U62.5 203.83,22.7 205.19,24.05 205.19,42.14 206.38,43.32 U57.9
/ALU/BUS0: length 697.5
  Top w0.25: U20.3 140.49,35.72 138.6,35.72 137.8,36.52 137.8,38.1 136.9,39 112.02,39 U42.2 ; U17.7 220.34,79.38 177.81,79.38 U10.3 ; U44.2 111.05,54.54 112.87,54.54 113.67,53.74 113.67,53.02 117.4,49.28 182.72,49.28 184.63,47.37 209.12,47.37 218.44,38.05 U66.2 ; U12.4 217.14,93.98 220.98,93.98 U16.7 ; U48.3 12.56,7.48 22.05,7.48 22.86,6.67 22.86,5.72 24.29,4.29 44,4.29 45.71,6 45.71,6.69 46.51,7.49 52.31,7.49 55.05,4.74 59.98,4.74 U52.3 ; U43.2 60.95,19.69 108.58,19.69 109.86,20.96 U46.2 ; U34.13 33.53,61 34.77,62.23 40.79,62.23 42.05,60.97 U31.13 55.81,60.97 57.08,62.24 62.87,62.24 U26.3
  Bottom w0.25: U45.3 141.61,51.43 142.88,50.16 142.88,38.1 U20.3 140.34,35.57 140.34,22.87 U65.2 140.25,20.42 140.25,7.54 U64.2 ; U44.2 109.86,46.3 108.58,45.03 108.58,38.12 U42.2 108.58,35.56 108.58,28.77 109.86,27.49 U46.2 109.86,15.78 108.58,14.5 108.58,7.63 U50.2 ; U34.13 19.01,59.69 7.63,59.69 J3.7 4,58.62 4,6.58 5.42,5.16 10.24,5.16 U48.3 11.43,7.48 10.16,8.75 10.16,19.19 8.89,20.46 U47.2 ; U66.2 218.44,36.84 218.44,42.87 217.32,43.99 217.32,44.93 218.44,46.05 U56.2 217.81,53.97 217.81,59.85 217.17,60.48 217.17,68.58 223.52,74.93 U17.7 223.52,77.33 224.71,78.52 224.71,88.49 223.52,89.68 U16.7 ; U38.2 73.29,97.15 71.09,94.94 71.09,70.45 U26.3 ; U43.2 60.33,20.31 60.33,7.61 U52.3
/ALU/BUS1: length 768.9
  Top w0.25: U52.4 66.69,3.78 102.37,3.78 106.07,7.49 111.27,7.49 U50.3 ; U43.5 67.8,20.46 108.58,20.46 108.58,21.92 109.39,22.73 111.27,22.73 U46.3 ; 112.39,45.72 112.39,53.34 117.48,48.26 183.1,48.26 184.44,46.92 208.16,46.92 217.17,37.91 217.17,36.52 217.98,35.72 219.86,35.72 U66.3 ; U26.4 62.87,59.7 57.08,59.7 55.81,58.43 U31.14 42.05,58.43 40.79,59.69 34.72,59.69 33.49,58.45 U34.14 ; U20.4 140.48,40.51 132.2,40.51 132.2,40.5 117.28,40.5 113.81,43.97 113.81,44.96 113.76,45.01 113.05,45.72 112.07,45.72 111.13,44.78 111.13,42.54 108.58,39.99 108.58,36.49 109.39,35.68 111.24,35.68 U42.3 ; U12.3 214.6,93.98 216.06,93.98 219.75,90.3 224.92,90.3 U16.6 ; U17.6 222.44,79.82 179.91,79.82 U10.4
  Bottom w0.25: 20.23,5.91 20.23,6.78 19.45,7.56 18.67,7.56 17.78,6.67 17.78,5.97 17.03,5.22 15.1,5.22 U48.4 13.97,7.48 15.24,8.75 15.24,19.19 16.51,20.46 U47.5 ; 20.23,5.91 22.97,3.17 60.95,3.17 U52.4 ; 20.23,5.91 18.5,4.18 5.12,4.18 3.1,6.2 3.1,61.97 5.9,64.77 9.37,64.77 11.03,63.11 ; U50.3 112.4,7.49 113.67,8.75 113.67,19.21 112.4,20.47 U46.3 111.12,22.88 111.12,29.82 112.4,31.09 U42.3 ; U66.3 219.71,38.12 219.71,52.07 U56.3 219.71,54.61 219.71,69.85 U17.6 227.33,77.47 227.33,90.17 U16.6 ; U64.3 142.78,7.53 142.78,20.43 U65.3 142.88,22.87 142.88,35.57 U20.4 145.33,38.02 145.33,52.17 U45.4 ; U26.4 71.54,68.36 71.54,94.75 73.48,96.69 83.16,96.69 85.23,94.61 U38.3 ; 11.03,63.11 12.69,64.77 20.67,64.77 21.94,63.5 21.94,60.08 U34.14 ; 11.03,63.11 J3.8
/ALU/BUS2: length 742.7
  Top w0.25: J3.9 7.62,62.24 11,62.24 17.32,55.91 U34.15 33.75,55.91 34.99,57.15 40.79,57.15 42.05,55.89 U31.15 56.59,55.89 57.86,57.16 62.87,57.16 U26.5 ; v1(113.75,30.94) 70.93,30.94 U43.11 67.16,31.26 27.77,31.26 24.6,28.08 20.18,28.08 U47.11 ; U17.5 224.53,80.27 187.08,80.27 U10.7 ; U52.5 68.72,4.29 102.24,4.29 105.9,7.95 113.35,7.95 U50.4 ; U66.4 219.38,40.99 216.32,40.99 209.49,47.82 184.81,47.82 182.91,49.73 155.39,49.73 U45.7 149.22,50.8 117.48,50.8 114.93,53.34
  Bottom w0.25: U12.14 210.82,105.38 210.82,98.57 211.45,97.93 211.45,83.21 213.56,81.1 213.56,35.36 214.63,34.29 220.97,34.29 U66.4 223.52,41.91 222.25,43.18 222.25,52.07 U56.4 222.25,54.61 222.25,69.85 U17.5 229.87,77.47 229.87,89.53 228.6,90.8 U16.5 ; U64.4 145.32,7.53 145.32,20.43 U65.4 144.15,22.73 144.38,22.73 150.64,28.99 150.64,35.71 U20.7 150.5,38.12 150.5,50.95 151.77,52.22 U45.7 ; U38.4 85.23,92.07 81.09,96.22 73.64,96.22 71.99,94.56 71.99,66.27 U26.5 65.55,59.84 65.55,50.84 70.36,46.03 70.36,30.36 U43.11 ; U50.4 114.94,7.49 116.2,8.75 116.2,19.21 114.94,20.47 U46.4 114.94,22.73 113.75,23.92 v1(113.75,30.94) 113.75,34.52 114.94,35.71 U42.4 113.67,38.12 113.67,52.07 114.93,53.34 ; U47.11 22.74,25.52 22.74,13.51 16.51,7.29 U48.5
/ALU/BUS3: length 699.1
  Top w0.25: U45.8 155.43,54.47 157.32,54.47 158.12,53.68 158.12,53.03 160.07,51.08 182.83,51.08 185.19,48.72 209.86,48.72 216.7,41.89 221.02,41.89 U66.5 ; U26.6 61.61,53.35 U31.17 57.16,54.61 36.79,54.61 U34.17 ; U47.14 12.56,29.21 12.56,28.93 13.85,27.63 24.78,27.63 27.95,30.81 59.99,30.81 U43.14 ; U17.4 226.62,80.72 189.17,80.72 U10.8 ; U52.6 70.81,4.74 102.05,4.74 105.71,8.4 115.44,8.4 U50.5 ; U65.5 145.55,22.74 127.13,22.74 126.37,21.98 126.37,21.21 125.16,20 119.08,20 U46.5 ; U16.4 226.06,96.52 215.55,96.52 213.36,98.71 213.36,105.38 U12.13
  Bottom w0.25: U38.5 85.23,89.53 79,95.77 73.83,95.77 72.44,94.37 72.44,64.18 U26.6 ; 12.62,5.22 12.09,4.69 5.24,4.69 3.55,6.39 3.55,59.92 5.87,62.24 7.62,62.24 J3.10 ; 12.62,5.22 12.7,5.3 12.7,22.86 11.43,24.13 U47.14 ; 12.62,5.22 13.12,4.73 17.43,4.73 U48.6 ; U45.8 154.31,46.68 153.04,45.41 153.04,38.12 U20.8 153.04,35.57 153.04,27.95 U65.5 147.88,20.41 147.88,7.55 U64.5 ; U31.17 60.41,51.36 60.41,30.39 U43.14 61.58,23.53 62.86,22.26 62.86,12.7 U52.6 ; U50.5 117.48,7.49 118.74,8.75 118.74,19.21 117.48,20.47 U46.5 117.48,22.73 116.2,24 116.2,34.44 117.48,35.71 U42.5 117.48,37.97 116.2,39.24 116.2,50.94 117.48,52.21 U44.5 ; U16.4 231.14,89.85 232.41,88.58 232.41,77.47 U17.4 224.79,69.85 224.79,54.61 U56.5 224.93,52.21 224.93,43.55 226.06,42.42 U66.5
